# KiCad board SparkFun_GNSS_HAT+_panelized.kicad_pcb (continued)
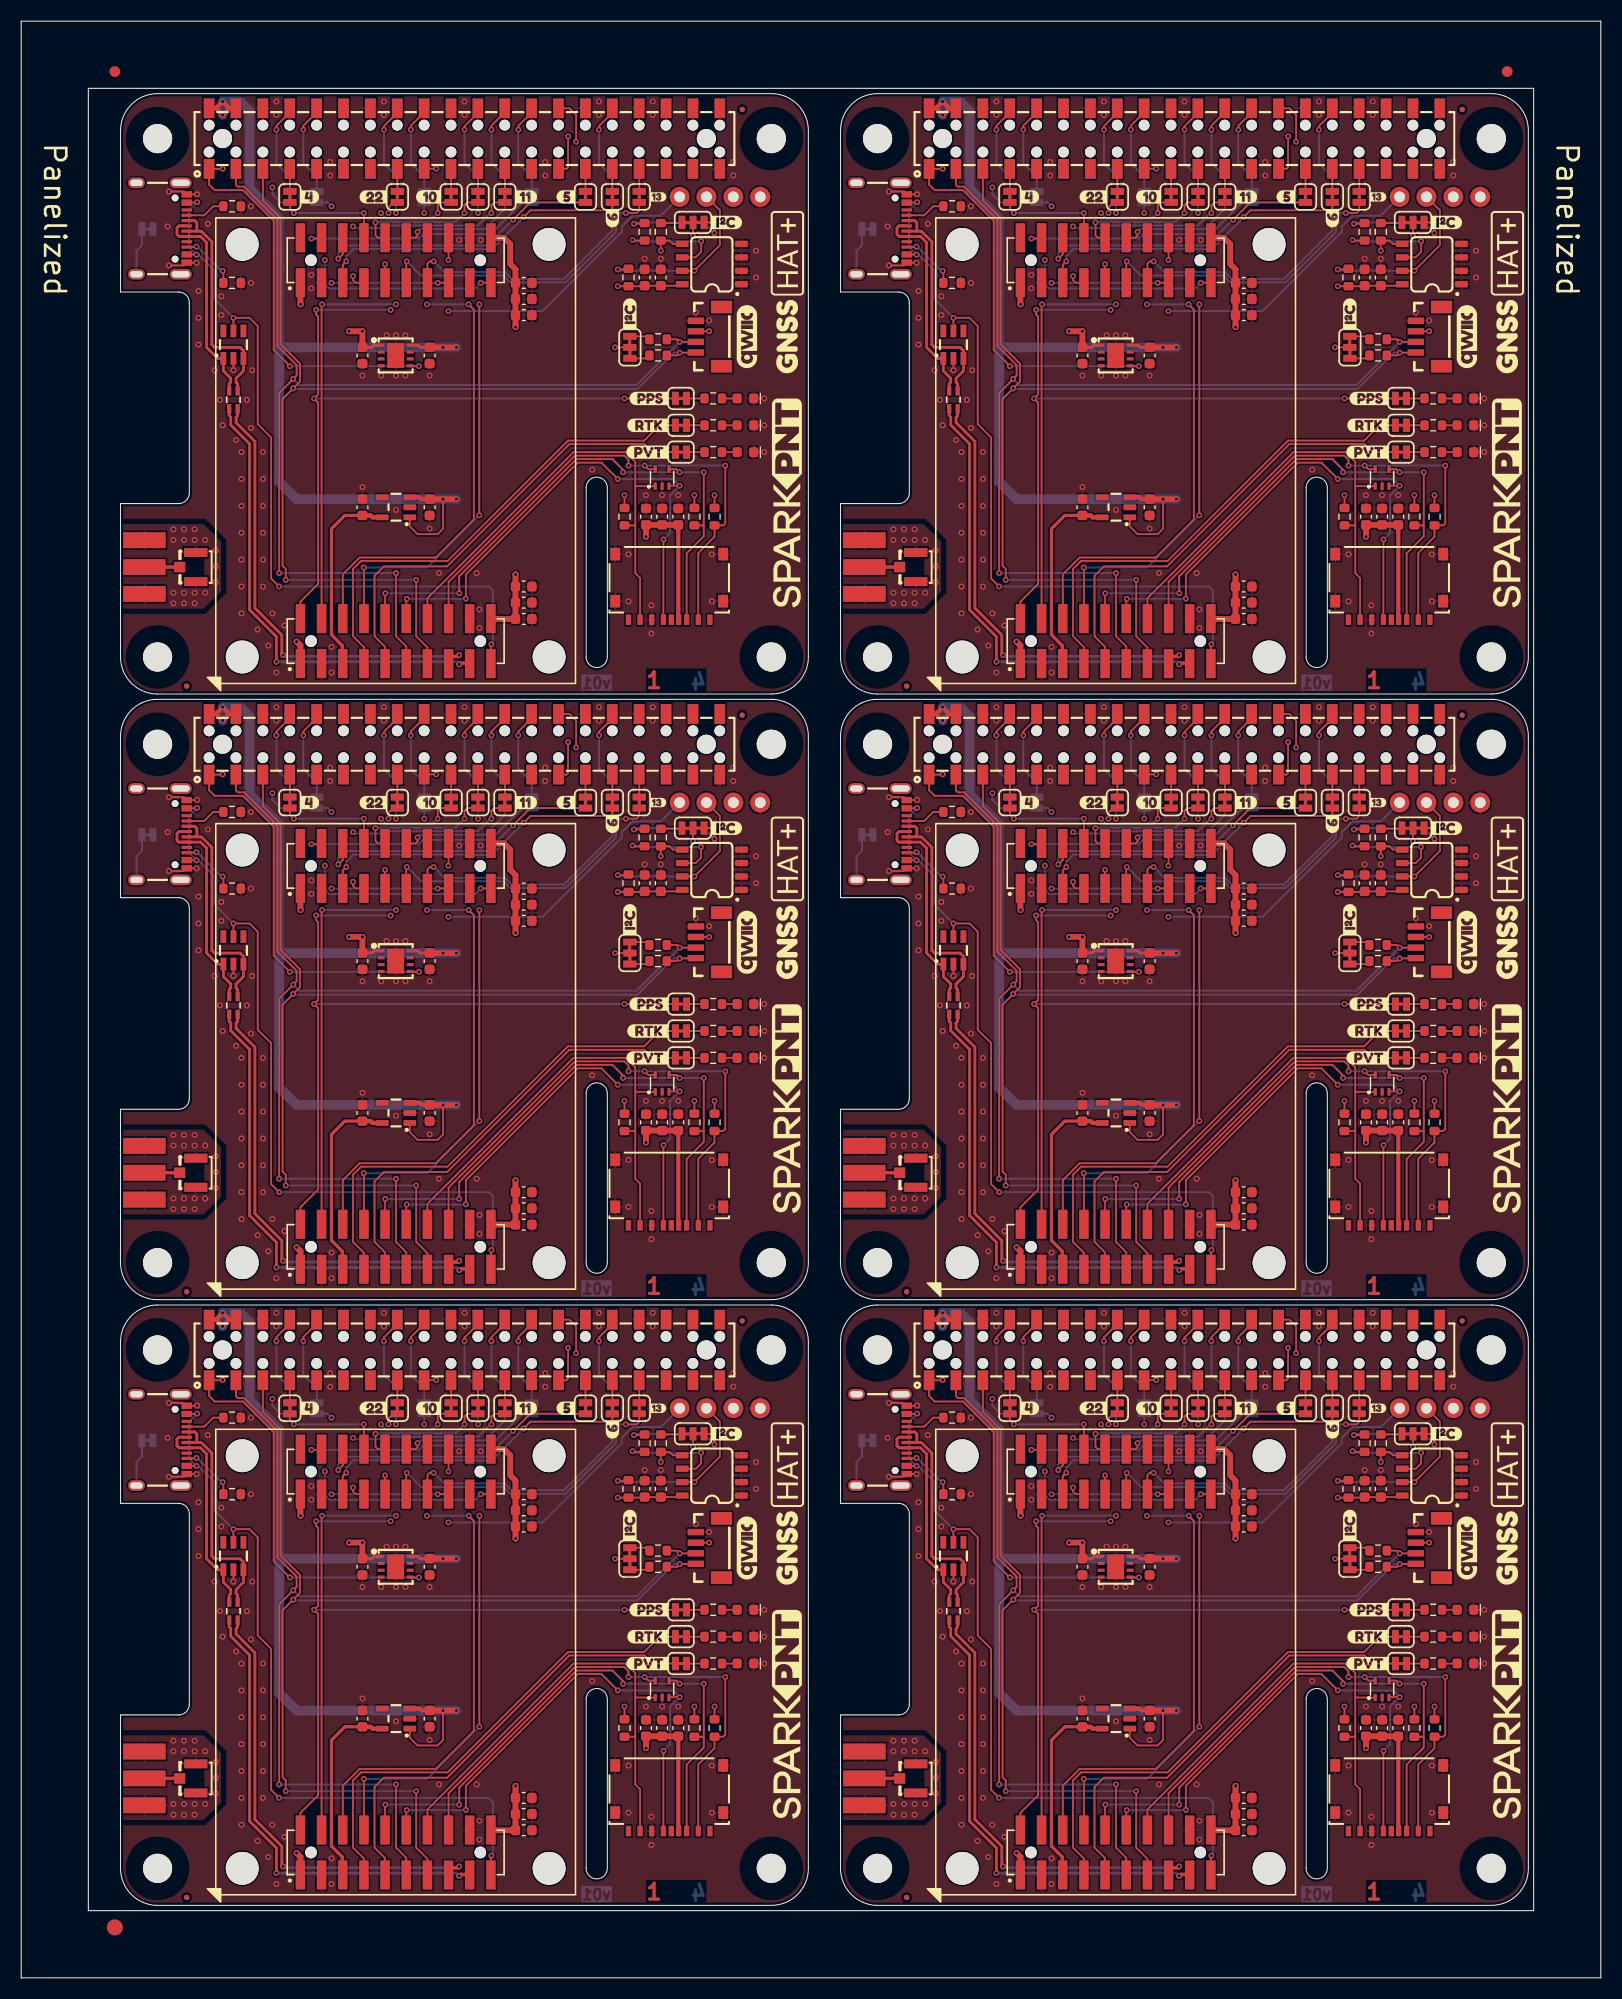
[diagram p0: board, top side]
## Copper pours and planes (outline as drawn; the poured copper is in the pictures) (continued)
GND on Top, Bottom, In1.Cu: 9.39,64.1 9.39,120.85 74.39,120.85 74.39,64.1
GND on Top, Bottom, In1.Cu: 77.43,6.85 77.43,63.6 142.43,63.6 142.43,6.85
GND on Top, Bottom, In1.Cu: 77.43,64.1 77.43,120.85 142.43,120.85 142.43,64.1

## Text on the board
Bottom: v01 | 4
User.Comments: V-SCORE | ROUTE OUT
Top: 1
F.Fab: Layers: 4 | Solder Mask: Red | Silkscreen Color: White | Thickness: 1.6mm | Finish: ENIG | Controlled Impedance: JLC7628 | Material: TG155 | No Clean Process | Outer Copper Weight: 1oz | Inner Copper Weight: 0.5oz | Ordering Notes
F.Silkscreen: Panelized
In1.Cu: 2
In2.Cu: 3
